# Altium PCB MP3_Player.PcbDoc (part 2 of 2)
Units mm, origin at the board's own origin, x right, y up, seen from the top; angles counter-clockwise.
Board outline 85 x 56 mm, 2 copper layers (Top Layer, Bottom Layer), stack 1.671 mm thick; 190 components, 122 nets, 601 pads, 193 vias.
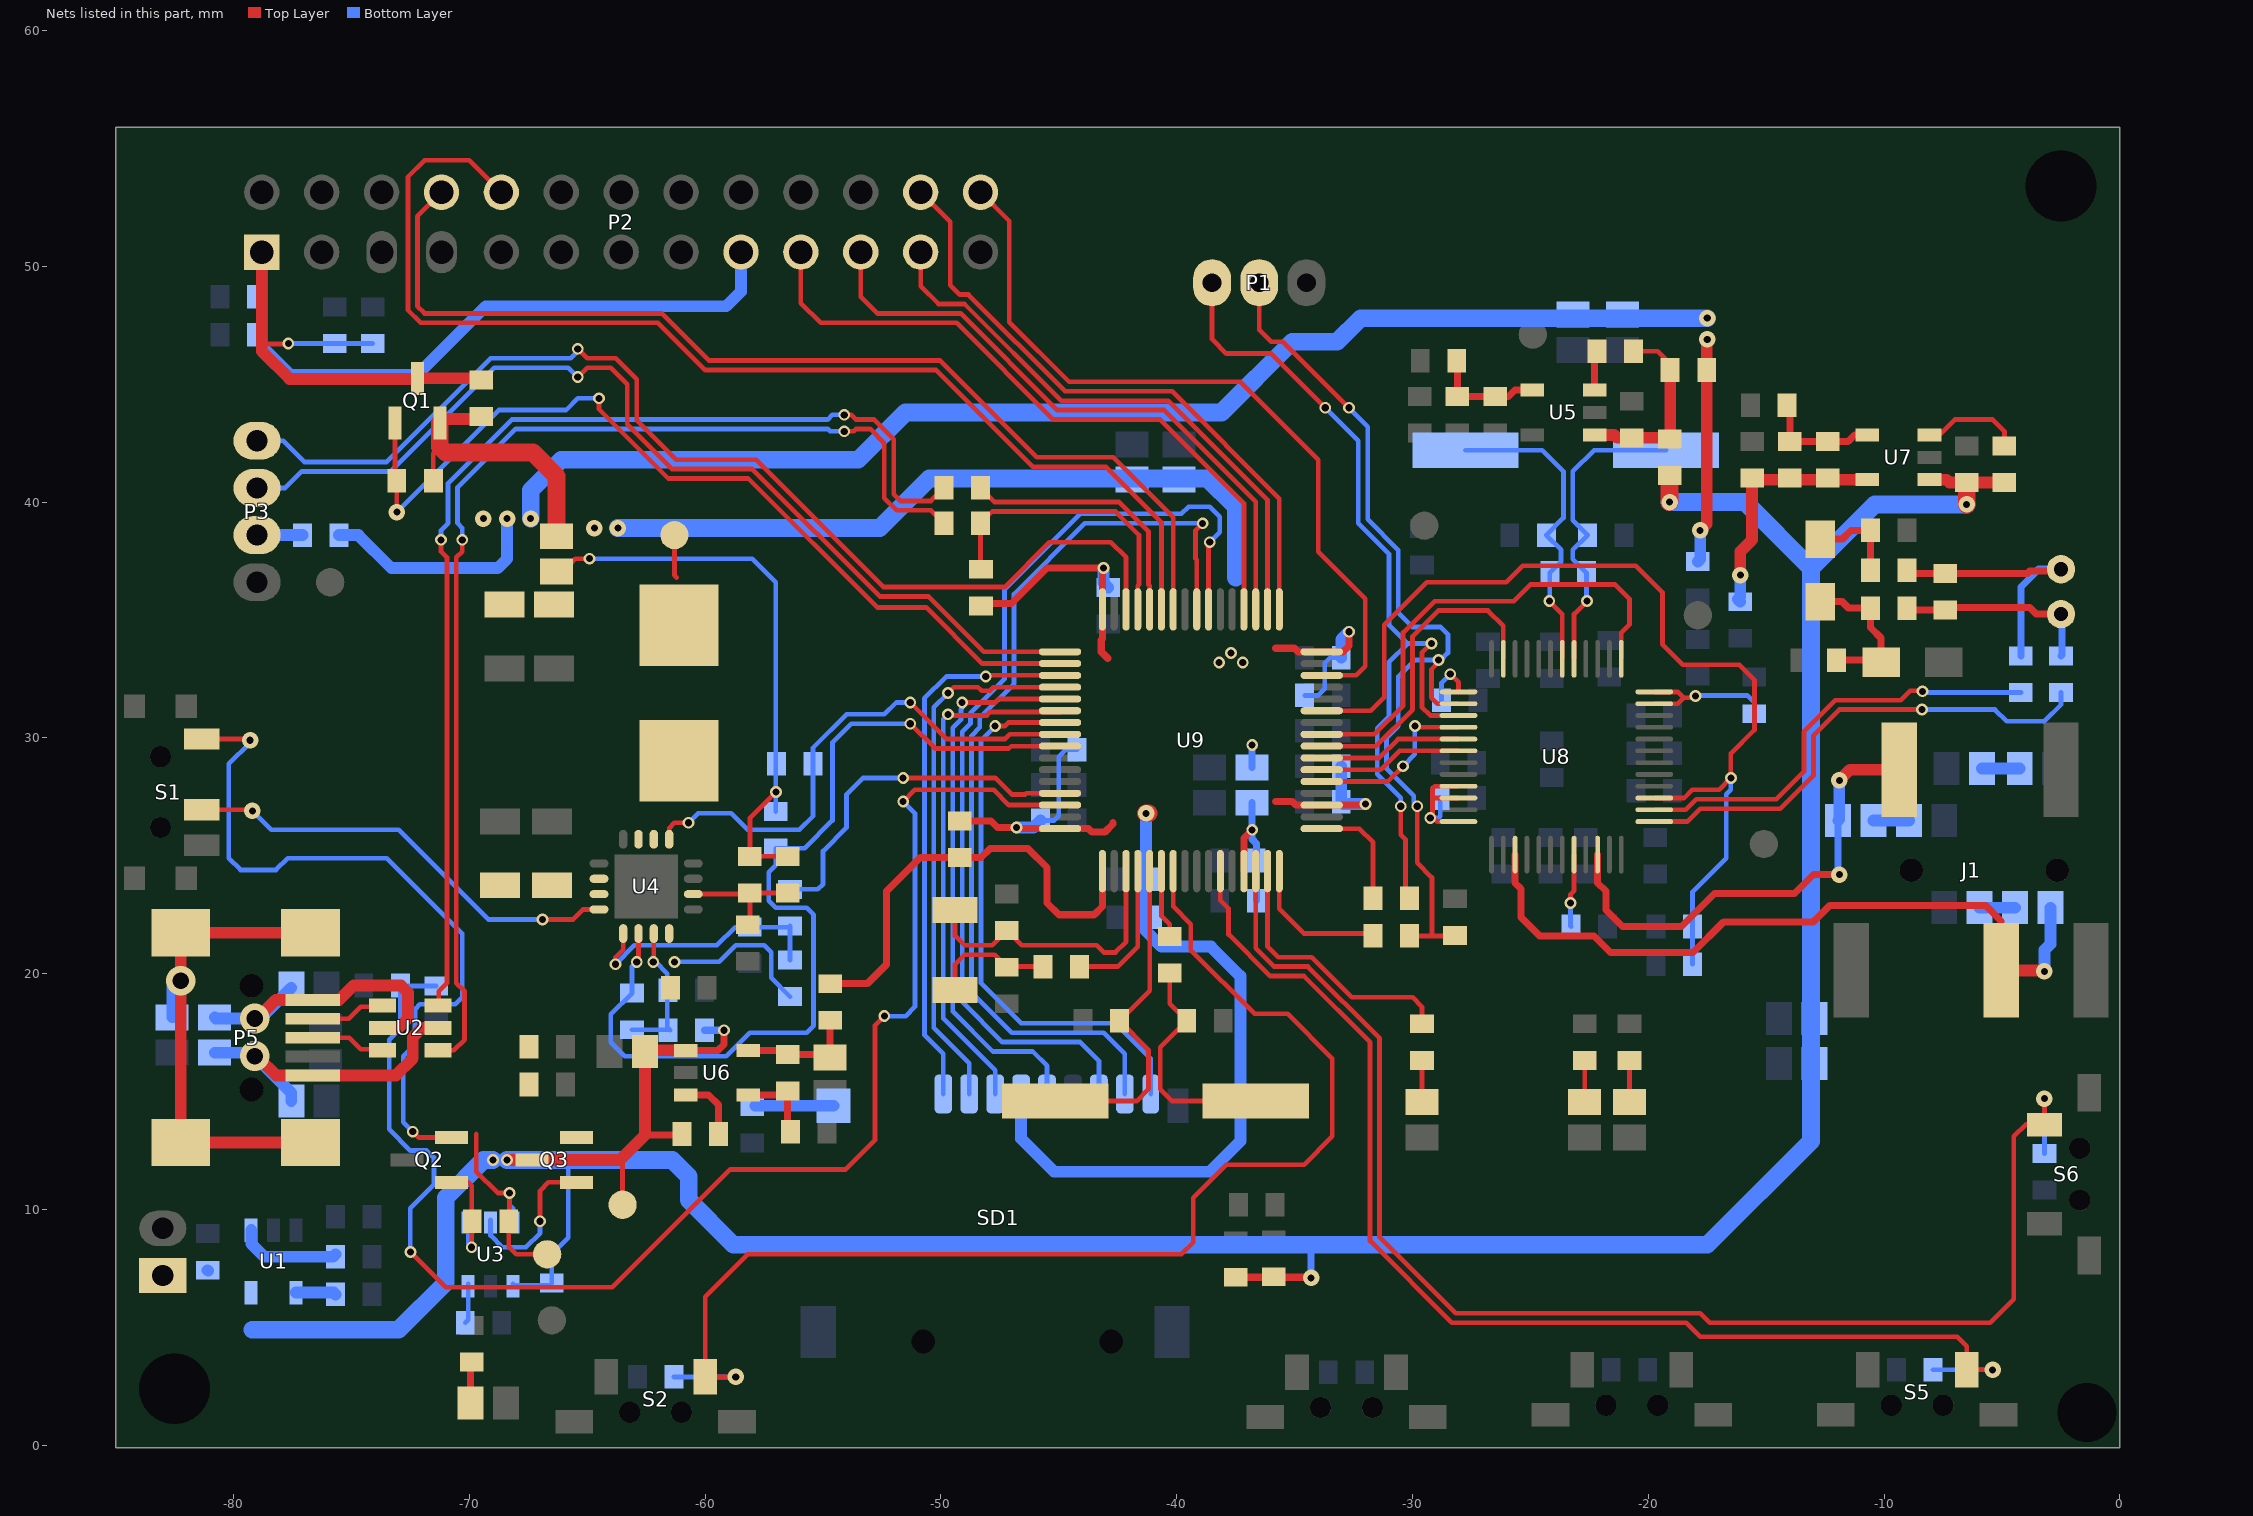
[diagram p2: the nets of this part, all layers, seen from the top]

## Via types
v1: diameter 0.5, hole 0.3, Top Layer to Bottom Layer, 136 vias
v2: diameter 0.7, hole 0.3, Top Layer to Bottom Layer, 53 vias
v3: diameter 1.27, hole 0.711, Top Layer to Bottom Layer, 4 vias

## Nets (pads, with @x,y where several pads share a name; then routed paths per layer and width w, separated by ;. In a path a pad name is that pad's centre, name@x,y a point inside that pad or via, vN(x,y) a via of type N, cw(c..) or ccw(c..) an arc to the next point about the centre after c; other vN are vias at no path point) (continued)
KEY3: C68.2 S5.2 U9.11 | length 50.9
  Top Layer w0.2: U9.11@-38.15,24.35 -38.15,23.113 -37.8,22.763 -37.8,21.663 -36.037,19.9 -34.603,19.9 -31.8,17.097 -31.8,8.666 -28.334,5.2 -18.4,5.2 -17.8,4.6 -6.9,4.6 -6.5,4.2 S5.2@-6.5,3.2 v2(-5.4,3.2)
  Bottom Layer w0.2: C68.2@-7.925,3.2 v2(-5.4,3.2)
KEY4: C66.2 S6.2 U9.14 | length 59.2
  Top Layer w0.2: U9.14@-36.65,24.35 -36.65,21.078 -35.872,20.3 -34.437,20.3 -31.4,17.263 -31.4,8.831 -28.169,5.6 -17.8,5.6 -17.4,5.2 -5.5,5.2 -4.5,6.2 -4.5,13.1 -4,13.6 S6.2@-3.2,13.6 v2(-3.2,14.7)
  Bottom Layer w0.2: C66.2@-3.2,12.375 v2(-3.2,14.7)
LBI: R19.1 R20.1 R28.2 U4.7 | length 6.1
  Top Layer w0.2: v1(-62.2,20.5) -62.175,20.525 U4.7@-62.175,21.7
  Bottom Layer w0.2: R28.2@-63.1,17.625 R19.1@-61.5,17.625 ; v1(-62.2,20.5) -62.1,20.5 -61.6,20 -61.6,17.725 R19.1@-61.5,17.625 ; R19.1@-61.475,17.6 R19.1@-61.5,17.625
LED1: R68.2 U9.15 | length 11.6
  Top Layer w0.2: U9.15@-36.15,24.35 -36.15,21.15 -35.7,20.7 -34.272,20.7 -32.572,19 -30,19 -29.6,18.6 R68.2@-29.6,17.775
LEFT: J1.2 R55.1 U8.46 | length 20.1
  Top Layer w0.3: U8.46@-22.15,25.05 -22.15,23.85 -21.8,23.5 -21.8,22.7 -21.1,22 -18.6,22 -17.2,23.4 -13.8,23.4 -13,24.2 v2(-11.9,24.2)
  Top Layer w0.5: v2(-11.9,28.2) -11.45,28.65 J1.2@-9.358,28.65
  Bottom Layer w0.3: v2@-11.95,24.45 R55.1@-11.95,26.5
  Bottom Layer w0.5: R55.1@-11.95,26.5 -11.9,26.55 v2(-11.9,28.2)
MICN: C48.1 U8.2 | length 18.7
  Top Layer w0.2: U8.2@-19.75,26.95 -18.416,26.95 -17.966,27.4 -14.566,27.4 -13.4,28.566 -13.4,30.266 -12.066,31.6 -9.3,31.6 -8.9,32 -8.4,32 v1(-8.375,31.975)
  Bottom Layer w0.2: v1(-8.375,31.975) -8.375,31.925 C48.1@-4.2,31.925
MICP: C45.1 U8.1 | length 21.2
  Top Layer w0.2: U8.1@-19.75,26.45 -18.35,26.45 -17.8,27 -14.4,27 -13,28.4 -13,30.1 -11.9,31.2 v1(-8.4,31.2)
  Bottom Layer w0.2: v1(-8.4,31.2) -5.3,31.2 -4.8,30.7 -3.2,30.7 -2.5,31.4 C45.1@-2.5,31.925
N\R\S\T\: C60.2 S2.2 U9.7 | length 52.7
  Top Layer w0.2: v2(-58.7,2.9) S2.2@-60,2.9 -60,6.3 -58.2,8.1 -39.8,8.1 -39.3,8.6 -39.3,10.5 -37.9,11.9 -34.6,11.9 -33.4,13.1 -33.4,16.4 -35.3,18.3 -36.7,18.3 -39.4,21 -39.4,22.1 -40.15,22.85 U9.7@-40.15,24.35
  Bottom Layer w0.2: C60.2@-61.325,2.898 -61.323,2.9 v2(-58.7,2.9)
NetC6_1: C6.1 L2.1 P5.5 U2.2 | length 13.8
  Top Layer w0.5: v3(-79.1,16.5) -79.1,16.4 -78.9,16.4 -78.187,15.687 P5.5@-76.638,15.687 -73.113,15.687 -72.4,16.4 -72.4,17.3 -72,17.7 U2.2@-71.325,17.7
  Bottom Layer w0.5: C6.1@-80.8,16.65 -79.25,16.65 v3(-79.1,16.5) -77.55,14.95 L2.1@-77.55,14.6
NetC6_2: C6.2 L1.1 P5.1 U2.5 | length 13.4
  Top Layer w0.5: v3(-79.1,18.1) -79,18.1 -78.213,18.887 P5.1@-76.638,18.887 -75.513,18.887 -74.9,19.5 -72.9,19.5 -72.6,19.2 -72.6,18.1 -73,17.7 U2.5@-73.675,17.7
  Bottom Layer w0.5: C6.2@-80.8,18.15 -80.75,18.1 v3(-79.1,18.1) -78.85,18.1 L1.1@-77.55,19.4
NetC9_2: C9.2 P5.6 P5.7 P5.8 P5.9 | length 21.6
  Top Layer w0.5: P5.6@-76.738,12.837 P5.7@-82.238,12.837 v3(-82.238,19.7) P5.9@-82.238,21.737 P5.8@-76.738,21.737
  Bottom Layer w0.5: C9.2@-82.6,18.15 -82.6,19.4 -82.3,19.7 v3(-82.238,19.7)
NetC16_1: C16.1 C17.1 C18.1 L3.2 R18.2 R21.2 R22.1 R23.2 TP3.1 | length 26.2
  Top Layer w0.2: R18.2@-66.3,37.35 -65.75,37.35 -65.5,37.6 v1(-64.9,37.6) ; TP3.1@-61.3,38.6 -61.3,36.9 -61.2,36.8 ; v1(-57,27.7) -58.1,26.6 C16.1@-58.1,24.975 R23.2@-56.5,24.975
  Bottom Layer w0.2: v1(-64.9,37.6) -58,37.6 -57,36.6 v1(-57,27.7) R21.2@-57,26.875
NetC16_2: C16.2 R23.1 R26.2 U4.10 | length 5.5
  Top Layer w0.2: U4.10@-60.5,23.375 -58.15,23.375 C16.2@-58.1,23.425 ; R26.2@-58.1,21.925 C16.2@-58.1,23.425 ; R23.1@-56.5,23.425 C16.2@-58.1,23.425
NetC21_1: C21.1 R29.1 R30.1 R31.2 U5.1 | length 7.9
  Top Layer w0.2: R31.2@-20.625,46.4 -19.6,46.4 R30.1@-19.075,45.875
  Top Layer w0.5: U5.1@-22.275,42.85 -21.45,42.85 -21.325,42.725 C21.1@-20.7,42.725 -19.075,42.725 R30.1@-19.075,45.6
NetC22_2: C22.2 R32.1 R34.2 U5.4 | length 4.9
  Top Layer w0.3: R34.2@-28.225,46 -28.1,45.875 C22.2@-28.1,44.475 R32.1@-26.5,44.475 -25.925,44.475 -25.65,44.75 U5.4@-24.925,44.75
NetC27_2: C27.2 R38.1 R39.2 U7.4 | length 5
  Top Layer w0.3: R39.2@-14.125,44.1 -14,43.975 C27.2@-14,42.575 R38.1@-12.4,42.575 -11.525,42.575 -11.25,42.85 U7.4@-10.725,42.85
NetC33_2: C33.2 R42.2 U8.18 Y1.2 | length 13.5
  Top Layer w0.2: v1(-24.2,35.8) -23.65,35.25 U8.18@-23.65,33.35
  Bottom Layer w0.2: Y1.2@-27.75,42.2 -24.5,42.2 -23.6,41.3 -23.6,39.325 C33.2@-24.325,38.6 -23.7,37.975 -23.7,37.475 R42.2@-24.175,37 -24.175,35.825 v1(-24.2,35.8)
NetC34_2: C34.2 R42.1 U8.17 Y1.1 | length 13.3
  Top Layer w0.2: U8.17@-23.15,33.35 -23.15,35.25 v1(-22.6,35.8)
  Bottom Layer w0.2: v1(-22.6,35.8) -22.625,35.825 R42.1@-22.625,37 -23.2,37.575 -23.2,37.975 C34.2@-22.575,38.6 -23.2,39.225 -23.2,41.3 -22.3,42.2 Y1.1@-19.25,42.2
NetC35_2: C35.2 U8.44 | length 3.1
  Top Layer w0.2: v1(-23.3,23) -23.3,23.364 -23.15,23.514 U8.44@-23.15,25.05
  Bottom Layer w0.2: v1(-23.3,23) -23.3,22.025 C35.2@-23.275,22
NetC44_1: C44.1 C47.1 R43.2 R45.1 | length 6.7
  Top Layer w0.3: C47.1@-12.7,35.775 -11.775,35.775 -11.5,35.5 R45.1@-10.575,35.5 -10.575,34.675 -10.125,34.225 C44.1@-10.125,33.2 -10.225,33.3 R43.2@-12.025,33.3
NetC45_2: C45.2 C46.2 MK1.1 R45.2 | length 8.5
  Top Layer w0.3: R45.2@-9.025,35.5 -8.95,35.425 C46.2@-7.4,35.425 ; C46.2@-7.4,35.525 -3.825,35.525 -3.55,35.25 MK1.1@-2.5,35.25
  Bottom Layer w0.3: C45.2@-2.5,33.475 -2.45,33.525 MK1.1@-2.45,35.3
NetC46_1: C46.1 C48.2 MK1.2 R52.1 | length 11.6
  Top Layer w0.3: R52.1@-9.025,37.1 -8.9,36.975 C46.1@-7.4,36.975 -3.925,36.975 -3.825,37.075 -2.575,37.075 MK1.2@-2.5,37.15
  Bottom Layer w0.3: C48.2@-4.2,33.475 -4.2,36.4 -3.45,37.15 MK1.2@-2.5,37.15
NetC47_2: C47.2 R52.2 R53.1 | length 4
  Top Layer w0.3: C47.2@-12.7,38.425 -11.775,38.425 -11.4,38.8 R53.1@-10.575,38.8 R52.2@-10.575,37.1
NetC49_1: C49.1 R54.2 | length 1.6
  Bottom Layer w0.5: C49.1@-5.85,28.7 R54.2@-4.25,28.7
NetC50_1: C50.1 R55.2 | length 1.5
  Bottom Layer w0.5: R55.2@-10.45,26.5 C50.1@-8.95,26.5
NetC51_1: C51.1 R56.2 | length 1.5
  Bottom Layer w0.5: C51.1@-5.95,22.8 R56.2@-4.45,22.8
NetC69_2: C69.2 SD1.13 | length 3.3
  Bottom Layer w0.5: C69.2@-57.875,14.4 SD1.13@-54.55,14.4
NetD1_1: D1.1 R11.1 | length 1.7
  Top Layer w0.3: D1.1@-69.95,1.8 -69.95,3.475 R11.1@-69.9,3.525
NetD4_1: D4.1 R50.1 | length 1.8
  Top Layer w0.2: D4.1@-20.8,14.55 R50.1@-20.8,16.325
NetD5_1: D5.1 R51.1 | length 1.8
  Top Layer w0.2: D5.1@-22.7,14.55 R51.1@-22.7,16.325
NetD6_1: D6.1 R68.1 | length 1.8
  Top Layer w0.2: D6.1@-29.6,14.55 R68.1@-29.6,16.325
NetL3_1: L3.1 U4.14 U4.15
NetP3_3: P3.3 R8.2 | length 1.9
  Bottom Layer w0.5: P3.3@-79,38.6 R8.2@-77.075,38.6
NetP5_2: P5.2 U2.4 | length 3.2
  Top Layer w0.2: P5.2@-76.638,18.087 -75.113,18.087 -74.6,18.6 -73.725,18.6 U2.4@-73.675,18.55
NetP5_3: P5.3 U2.6 | length 3.2
  Top Layer w0.2: P5.3@-76.638,17.287 -75.087,17.287 -74.6,16.8 -73.825,16.8 U2.6@-73.675,16.65
NetQ3_1: Q3.1 U3.5 | length 6.7
  Top Layer w0.2: v1(-67,9.5) -67,10.8 -66.65,11.15 Q3.1@-65.45,11.15
  Bottom Layer w0.2: U3.5@-69.1,9.55 -69.1,8.9 -68.6,8.4 -67.6,8.4 -67,9 v1(-67,9.5)
NetR9_2: R9.2 U1.1 | length 4.4
  Bottom Layer w0.5: U1.1@-79.25,9.125 -79.25,8.55 -78.7,8 -75.775,8 R9.2@-75.675,8.1
NetR10_2: R10.2 U1.4 | length 1.7
  Bottom Layer w0.5: U1.4@-77.35,6.475 -75.75,6.475 R10.2@-75.675,6.4
NetR17_2: R17.2 U3.3 | length 1.7
  Bottom Layer w0.2: R17.2@-70.175,5.2 -70.05,5.325 U3.3@-70.05,6.85
NetR31_1: R31.1 U5.3 | length 1.7
  Top Layer w0.3: R31.1@-22.325,46.4 -22.275,46.35 U5.3@-22.275,44.75
NetR33_1: R33.1 U6.3 | length 2.9
  Top Layer w0.3: U6.3@-60.825,14.85 -59.85,14.85 -59.425,14.425 R33.1@-59.425,13.1
NetR35_1: R35.1 R36.2 U6.4 | length 3.5
  Top Layer w0.3: U6.4@-58.175,14.85 -56.675,14.85 R35.1@-56.5,15.025 -56.5,13.425 R36.2@-56.375,13.3
NetR37_1: R37.1 U7.3 | length 4.3
  Top Layer w0.2: U7.3@-8.075,42.85 -7.65,42.85 -7,43.5 -5.4,43.5 -4.9,43 R37.1@-4.9,42.375
NetR40_2: R40.2 U8.33 U8.34 U8.36 | length 6
  Top Layer w0.2: v1(-29.25,26.6) -29.2,26.6 v1@-29.15,26.65 ; U8.36@-28.05,26.45 -28.95,26.45 v1@-29.15,26.65 ; U8.34@-28.05,27.45 -29.1,27.45 -29.15,27.5 ; U8.33@-28.05,27.95 -29.05,27.95 -29.15,27.85 -29.15,27.5 ; v1@-29.15,26.65 -29.15,27.5
  Bottom Layer w0.2: v1(-29.25,26.6) -28.9,26.6 -28.825,26.675 R40.2@-28.825,27.45
NetR48_2: R48.2 U8.25 | length 2.2
  Top Layer w0.2: v1(-28.4,32.7) -28.05,32.35 U8.25@-28.05,31.95
  Bottom Layer w0.2: R48.2@-28.775,31.6 -28.775,32.325 v1(-28.4,32.7)
NetR49_2: R49.2 U8.11 U8.12 | length 6.4
  Top Layer w0.2: U8.11@-19.75,31.45 -18.75,31.45 -18.5,31.7 ; U8.12@-19.75,31.95 -18.75,31.95 -18.5,31.7 ; v1(-18,31.775) -18.075,31.7 -18.5,31.7
  Bottom Layer w0.2: v1(-18,31.775) -18,31.8 -15.8,31.8 -15.5,31.5 R49.2@-15.5,31.025
NetR58_1: R58.1 R62.1 U9.1 | length 19.4
  Top Layer w0.3: R62.1@-54.7,19.575 -53.125,19.575 -52.3,20.4 -52.3,23.5 -50.875,24.925 R58.1@-49.2,24.925 -48.3,24.925 -47.925,25.3 -46.3,25.3 -45.5,24.5 -45.5,23 -45,22.5 -43.5,22.5 -43.15,22.85 U9.1@-43.15,24.35
NetR63_2: R63.2 U9.6 | length 2.7
  Top Layer w0.2: U9.6@-40.65,24.35 -40.65,22.45 -40.3,22.1 R63.2@-40.3,21.775
NetR64_1: R64.1 U9.4 | length 6
  Top Layer w0.2: R64.1@-44.125,20.3 -42.5,20.3 -41.65,21.15 U9.4@-41.65,24.35
PWE_EN: S1.2 U4.4 | length 19
  Top Layer w0.2: S1.2@-81.35,26.95 -79.25,26.95 v2(-79.2,26.9) ; v1(-66.9,22.3) -65.6,22.3 -65.175,22.725 U4.4@-64.5,22.725
  Bottom Layer w0.2: v2(-79.2,26.9) -78.4,26.1 -73,26.1 -69.2,22.3 v1(-66.9,22.3)
PWR_EXT: Q1.1 R5.2 U9.50 | length 39
  Top Layer w0.2: Q1.1@-73.15,43.35 -73.15,40.975 R5.2@-73.075,40.9 v2(-73.075,39.575) ; v1@-64.6,44.4 v1(-64.5,44.4) -64.5,43.932 -61.569,41 -58.169,41 -52.7,35.531 -50.631,35.531 -48.25,33.15 U9.50@-44.95,33.15
  Bottom Layer w0.2: v2(-73.075,39.575) -68.75,43.9 -65.9,43.9 -65.4,44.4 v1(-64.5,44.4)
PWRSTAT: Q2.1 R16.1 U3.4 | length 4.7
  Top Layer w0.2: Q2.1@-70.75,11.15 -70.05,11.15 -69.9,11 v1(-69.9,8.4)
  Bottom Layer w0.2: U3.4@-70.1,9.6 U3.4@-70.05,9.55 ; U3.4@-70.05,9.45 -70.05,8.55 v1(-69.9,8.4)
REG_LBO: R21.1 R28.1 U4.6 U9.57 | length 40.3
  Top Layer w0.2: v1(-62.9,20.5) -62.85,20.5 -62.825,20.525 U4.6@-62.825,21.7 ; v1(-51.3,30.6) -50.25,29.55 -47.119,29.55 -47.019,29.65 U9.57@-44.95,29.65
  Bottom Layer w0.2: v1(-62.9,20.5) -63.1,20.3 R28.1@-63.1,19.175 -64,18.275 -64,17.1 -63.4,16.5 -59.1,16.5 -58.1,17.5 -55.7,17.5 -55.4,17.8 -55.4,22.5 -55.7,22.8 -57,22.8 -57.3,23.1 -57.3,24.3 -57,24.6 R21.1@-57,25.325 -55.775,25.325 -54.6,26.5 -54.6,29.8 -53.8,30.6 v1(-51.3,30.6)
REG_PG: R22.2 U4.13 U9.56 | length 22.3
  Top Layer w0.2: U4.13@-61.525,25.7 -61.525,26.175 -61.3,26.4 v1(-60.7,26.4) ; v1(-51.3,31.5) -49.75,29.95 -47.284,29.95 -47.084,30.15 U9.56@-44.95,30.15
  Bottom Layer w0.2: v1(-60.7,26.4) -60.3,26.8 -58.9,26.8 -58.2,26.1 -56,26.1 -55.425,26.675 R22.2@-55.425,28.9 -55.425,29.575 -54,31 -52.4,31 -51.9,31.5 v1(-51.3,31.5)
REG_SYNC: R27.2 U9.61 | length 15.4
  Top Layer w0.2: v1(-51.6,28.3) -47.7,28.3 -47,27.6 -46.422,27.6 -46.372,27.65 U9.61@-44.95,27.65
  Bottom Layer w0.2: R27.2@-56.4,23.575 -55.225,23.575 -55,23.8 -55,25.2 -54,26.2 -54,27.6 -53.3,28.3 v1(-51.6,28.3)
RIGHT: J1.4 R56.1 U8.39 | length 31.6
  Top Layer w0.3: U8.39@-25.65,25.05 -25.65,23.85 -25.4,23.6 -25.4,22.7 -25.4,22.393 -24.607,21.6 -22.307,21.6 -21.607,20.9 -18.1,20.9 -16.8,22.2 -13,22.2 -12.3,22.9 -5.7,22.9 -5.04,22.24 J1.4@-5.04,20.141
  Top Layer w0.5: J1.4@-5.04,20.141 -3.241,20.141 v2(-3.2,20.1)
  Bottom Layer w0.5: v2(-3.2,20.1) -3.2,21 -2.95,21.25 R56.1@-2.95,22.8
SD_CD: SD1.9 U9.55 | length 24.1
  Top Layer w0.2: v1@-47.7,30.4 v1(-47.7,30.5) -47.3,30.5 -47.15,30.65 U9.55@-44.95,30.65
  Bottom Layer w0.2: v1(-47.7,30.5) -48.3,29.9 -48.3,19.6 -46.6,17.9 -42.6,17.9 -41.1,16.4 SD1.9@-41.1,14.9
SDIO_CK: SD1.5 U9.53 | length 23.6
  Top Layer w0.2: v1(-49.1,31.5) -47.7,31.5 -47.55,31.65 U9.53@-44.95,31.65
  Bottom Layer w0.2: v1(-49.1,31.5) -49.1,31.266 -49.15,31.216 -49.15,30.772 -49.5,30.422 -49.5,18.4 -47.8,16.7 -46.1,16.7 -45.5,16.1 SD1.5@-45.5,14.9
SDIO_CMD: SD1.3 U9.54 | length 22
  Top Layer w0.2: v1(-49.7,31) -49.65,30.95 -48.05,30.95 -47.9,31.1 -44.95,31.1 U9.54@-44.95,31.15
  Bottom Layer w0.2: v1(-49.7,31) -49.9,30.8 -49.9,18.1 -47.7,15.9 SD1.3@-47.7,14.9
SDIO_D0: SD1.7 U9.39 | length 41.4
  Top Layer w0.2: U9.39@-38.65,35.45 -38.65,38.25 v1(-38.6,38.3)
  Bottom Layer w0.2: SD1.7@-43.3,14.9 -43.3,16.3 -44.1,17.1 -47.4,17.1 -49.1,18.8 -49.1,30.257 -48.75,30.606 -48.75,31.05 -47.3,32.5 -47.3,36.3 -44.1,39.5 -39.8,39.5 -39.5,39.8 -38.6,39.8 -38.175,39.375 -38.175,38.725 v1(-38.6,38.3)
SDIO_D1: SD1.8 U9.40 | length 40
  Top Layer w0.2: U9.40@-39.15,35.45 -39.15,37.55 -39.2,37.6 -39.2,38.8 v1(-38.9,39.1)
  Bottom Layer w0.2: SD1.8@-42.2,14.9 -42.2,16.6 -43.1,17.5 -47,17.5 -48.7,19.2 -48.7,30.091 -48.35,30.441 -48.35,30.85 -46.9,32.3 -46.9,36.1 -43.9,39.1 v1(-38.9,39.1)
SDIO_D2: SD1.1 U9.51 | length 23.3
  Top Layer w0.2: v1(-48.1,32.6) -48.05,32.65 U9.51@-44.95,32.65
  Bottom Layer w0.2: SD1.1@-49.9,14.9 -49.9,16.6 -50.7,17.4 -50.7,31.678 -49.778,32.6 v1(-48.1,32.6)
SDIO_D3: SD1.2 U9.52 | length 22.8
  Top Layer w0.2: v1(-49.7,31.9) -49.45,32.15 -48.428,32.15 -48.278,32 -47.922,32 -47.772,32.15 U9.52@-44.95,32.15
  Bottom Layer w0.2: v1(-49.7,31.9) -50.3,31.3 -50.3,17.7 -48.8,16.2 SD1.2@-48.8,14.9
SPI1_MISO: U8.30 U9.22 | length 6.1
  Top Layer w0.2: U9.22@-33.85,28.65 -31.35,28.65 -30.55,29.45 U8.30@-28.05,29.45
SPI1_MOSI: U8.29 U9.23 | length 6.1
  Top Layer w0.2: U9.23@-33.85,29.15 -31.416,29.15 -30.616,29.95 -30.128,29.95 U8.29@-28.05,29.95
SPI1_SCK: U8.28 U9.21 | length 7.3
  Top Layer w0.2: U9.21@-33.85,28.15 -31.05,28.15 v1(-30.4,28.8) ; v1@-29.7,30.45 U8.28@-28.05,30.45
  Bottom Layer w0.2: v1(-30.4,28.8) -29.9,29.3 v1(-29.9,30.5)
SPI2_MISO: P2.21 U9.35 | length 26.8
  Top Layer w0.2: P2.21@-53.4,50.6 -53.4,48.7 -52.7,48 -49.166,48 -45.066,43.9 -40.531,43.9 -36.65,40.019 U9.35@-36.65,35.45
SPI2_MOSI: P2.19 U9.36 | length 29
  Top Layer w0.2: P2.19@-55.94,50.6 -55.94,48.44 -55.1,47.6 -49.331,47.6 -45.231,43.5 -40.697,43.5 -37.15,39.953 U9.36@-37.15,35.45
SPI2_NCS0: P2.24 U9.33 | length 26.9
  Top Layer w0.2: P2.24@-50.86,53.14 -49.6,51.88 -49.6,49.2 -49.2,48.8 -48.834,48.8 -44.734,44.7 -40.2,44.7 -35.65,40.15 U9.33@-35.65,35.45
SPI2_NCS1: P2.26 U9.30 | length 33.1
  Top Layer w0.2: P2.26@-48.32,53.14 -47.1,51.92 -47.1,47.631 -44.569,45.1 -37.3,45.1 -34,41.8 -34,37.9 -32,35.9 -32,33.044 -32.393,32.65 U9.30@-33.85,32.65
SPI2_SCK: P2.23 U9.34 | length 24.5
  Top Layer w0.2: P2.23@-50.86,50.6 -50.86,49.16 -50.1,48.4 -49,48.4 -44.9,44.3 -40.366,44.3 -36.15,40.084 U9.34@-36.15,35.45
SWCLK: P3.2 U9.49 | length 42.5
  Top Layer w0.2: v1(-65.4,45.3) -65,45.7 -64,45.7 -63.3,45 -63.3,43.3 -61.4,41.4 -58.003,41.4 -52.6,35.997 -50.531,35.997 -48.184,33.65 U9.49@-44.95,33.65
  Bottom Layer w0.2: P3.2@-79,40.6 -77.8,40.6 -77.1,41.3 -73.334,41.3 -68.934,45.7 -65.8,45.7 v1(-65.4,45.3)
SWDIO: P3.1 U9.46 | length 47.9
  Top Layer w0.2: v1(-65.4,46.5) -65,46.1 -63.8,46.1 -62.9,45.2 -62.9,43.466 -61.234,41.8 -57.837,41.8 -52.434,36.397 -47.303,36.397 -45.4,38.3 -42.8,38.3 -42.15,37.65 U9.46@-42.15,35.45
  Bottom Layer w0.2: P3.1@-79,42.6 -77.9,42.6 -77,41.7 -73.5,41.7 -69.1,46.1 -65.7,46.1 v1@-65.4,46.4 ; v1@-65.5,46.3 v1@-65.4,46.4 ; v1(-65.4,46.5) v1@-65.4,46.4
SYNC: R24.1 R25.1 R27.1 U4.5 | length 11
  Top Layer w0.2: v1(-63.8,20.4) -63.8,20.7 -63.475,21.025 U4.5@-63.475,21.7
  Bottom Layer w0.2: v1(-63.8,20.4) -63,21.2 -59.5,21.2 -58.725,21.975 R25.1@-58.1,21.975 R27.1@-56.4,21.975 ; R27.1@-56.45,21.975 R27.1@-56.4,22.025 R24.1@-56.4,20.575
USART1_RX: P2.10 U9.43 | length 49.9
  Top Layer w0.2: P2.10@-68.64,53.14 -70,54.5 -71.9,54.5 -72.6,53.8 -72.6,48.134 -72.066,47.6 -62,47.6 -60,45.6 -50.2,45.6 -46.1,41.5 -43,41.5 -40.65,39.15 U9.43@-40.65,35.45
USART1_TX: P2.8 U9.42 | length 44.9
  Top Layer w0.2: P2.8@-71.18,53.14 -72.2,52.12 -72.2,48.3 -71.9,48 -61.834,48 -59.834,46 -50.034,46 -45.934,41.9 -42.693,41.9 -40.15,39.357 U9.42@-40.15,35.45
USART2_RX: R2.1 U9.17 | length 4.7
  Top Layer w0.2: U9.17@-33.85,26.15 -32.25,26.15 -31.675,25.575 R2.1@-31.675,23.3
USART2_TX: R3.2 U9.16 | length 6
  Top Layer w0.2: U9.16@-35.65,24.35 -35.65,22.75 -34.6,21.7 R3.2@-31.675,21.7
USB_N: R59.2 U2.3 | length 47.9
  Top Layer w0.2: U2.3@-71.325,18.65 -71.3,18.675 -71.3,19.25 -70.95,19.6 -70.95,37.65 -71.2,37.9 v1(-71.2,38.4) ; v1(-54.1,43.7) -53.8,43.7 -53.6,43.5 -52.834,43.5 -52,42.666 -52,40.334 -51.716,40.05 -50.425,40.05 R59.2@-49.875,40.6
  Bottom Layer w0.2: v1(-71.2,38.4) -71.2,38.8 -70.9,39.1 -70.9,40.8 -68.2,43.5 -54.8,43.5 -54.6,43.7 v1(-54.1,43.7)
USB_P: R60.2 U2.1 | length 49.8
  Top Layer w0.2: U2.1@-71.325,16.75 -70.65,16.75 -70.2,17.2 -70.2,19.25 -70.55,19.6 -70.55,37.65 -70.3,37.9 v1(-70.3,38.4) ; v1(-54.1,43) -53.7,43 -53.6,43.1 -53,43.1 -52.4,42.5 -52.4,40.169 -51.881,39.65 -50.425,39.65 R60.2@-49.875,39.1
  Bottom Layer w0.2: v1(-70.3,38.4) -70.3,38.9 -70.5,39.1 -70.5,40.634 -68.034,43.1 -54.8,43.1 -54.7,43 v1(-54.1,43)
VBUS: R12.1 R14.2 U9.62 | length 60.5
  Top Layer w0.2: v1(-72.5,8.2) -71,6.7 -63.934,6.7 -58.934,11.7 -54.034,11.7 -52.8,12.934 -52.8,17.8 v1(-52.4,18.2) ; v1(-51.6,27.3) -51.1,27.8 -47.766,27.8 -47.116,27.15 U9.62@-44.95,27.15
  Bottom Layer w0.2: v1(-72.5,8.2) -72.5,10.055 -71.5,11.055 -71.5,12.2 -71.8,12.5 -72.5,12.5 -73.4,13.4 -73.4,17.2 -72.925,17.675 R12.1@-72.925,19.5 -72.9,19.475 R14.2@-71.4,19.475 ; v1(-52.4,18.2) -51.5,18.2 -51.1,18.6 -51.1,26.8 v1(-51.6,27.3)
VCC_3V3: C1.2 C2.2 C55.2 C56.2 C57.2 C58.2 C59.2 C70.2 C71.2 C74.2 C75.2 L4.2 Q1.2 R4.1 R5.1 R8.1 R18.1 R30.2 R47.1 R58.2 R61.2 R65.2 R67.2 SD1.4 U9.19 U9.32 U9.48 U9.64 | length 183.6
  Top Layer w0.2: R5.1@-71.525,40.9 -71.525,42.075 -71.25,42.35 ; Q1.2@-71.25,43.35 Q1.2@-71.075,43.525
  Top Layer w0.3: R58.2@-49.2,26.475 -47.875,26.475 -47.6,26.2 v1(-46.8,26.2) -46.75,26.15 U9.64@-44.95,26.15 -43.75,26.15 -43.6,26 -43.051,26 -42.7,26.351 -42.7,26.4 ; R61.2@-48.3,35.425 -48.025,35.7 -47,35.7 -45.5,37.2 v1(-43.1,37.2) -43.15,37.15 U9.48@-43.15,35.45 -43.15,34.199 -43.2,34.149 -43.2,33.651 -42.924,33.376 ; -35.8,27.3 -35.1,27.3 -34.95,27.15 U9.19@-33.85,27.15 -32.05,27.15 v1(-32,27.2) ; -35.8,33.8 -35,33.8 -34.85,33.65 U9.32@-33.85,33.65 -32.95,33.65 -32.7,33.9 v1(-32.7,34.5)
  Top Layer w0.5: Q1.2@-71.075,43.525 R4.1@-69.5,43.525 ; v2(-17.8,38.8) -17.525,39.075 R30.2@-17.525,45.6 -17.525,46.875 v2(-17.5,46.9)
  Top Layer w0.75: Q1.2@-71.25,43.35 -71.25,42.35 -71,42.1 -67.3,42.1 -66.3,41.1 R18.1@-66.3,38.85 ; v2(-41.3,26.8) v2@-41.2,26.8
  Bottom Layer w0.2: C59.2@-45.775,26.5 -45.2,26.5 -45,26.7 -45,29.2 -44.7,29.5 R65.2@-44.225,29.5 ; R67.2@-34.575,31.8 -34,31.8 -33.725,32.075 -33.725,33.175 -33.5,33.4 C57.2@-33.025,33.4
  Bottom Layer w0.3: L4.2@-36.8,28.75 v1(-36.8,29.7)
  Bottom Layer w0.5: R8.1@-75.525,38.6 -74.7,38.6 -73.3,37.2 -68.8,37.2 -68.4,37.6 v2(-68.4,39.3) ; v1(-46.8,26.2) -46.075,26.2 C59.2@-45.775,26.5 ; SD1.4@-46.6,14.9 -46.6,13 -45.2,11.6 -38.6,11.6 -37.3,12.9 -37.3,19.9 -38.55,21.15 -40.65,21.15 -41.3,21.8 v2(-41.3,26.8) ; v1(-43.1,37.2) -43.1,36.575 C58.2@-42.9,36.375 ; C55.2@-33.025,28.8 C56.2@-33.025,27.3 -32.925,27.2 v1(-32,27.2) ; C57.2@-33.025,33.4 -33.025,34.175 v1(-32.7,34.5) ; R47.1@-17.9,37.475 -17.8,37.575 v2(-17.8,38.8)
  Bottom Layer w0.75: v2(-67.4,39.3) -67.4,40.5 -66.1,41.8 -53.5,41.8 -51.5,43.8 -38.1,43.8 -35.1,46.8 -33.2,46.8 -32.2,47.8 v2(-17.5,47.8) ; v2(-63.7,38.9) -52.6,38.9 -50.5,41 -38.7,41 -37.5,39.8 -37.5,36.8
  other v1: -38.2,33.2 -37.2,33.2 -37.7,33.6
  other v2: -64.7,38.9 -69.4,39.3
VCC_3V3_BAT: C25.1 C27.1 R38.2 R44.1 U7.5 | length 10.4
  Top Layer w0.5: v2(-16.1,36.9) -16.1,37.9 -15.6,38.4 C25.1@-15.6,41.025 -15.525,40.95 U7.5@-10.725,40.95
  Bottom Layer w0.5: R44.1@-16.1,35.775 -16.2,35.875 -16.1,35.975 v2(-16.1,36.9)
VCC_3V3_EXT: C3.2 C4.2 P2.1 P2.17 Q1.3 R4.2 R6.1 R7.1 | length 46.7
  Top Layer w0.2: -78.8,46.7 -77.7,46.7 v1(-77.675,46.725) ; R4.2@-69.675,45.25 R4.2@-69.5,45.075
  Top Layer w0.5: P2.1@-78.8,50.6 -78.8,46.7 -78.8,46.4 -77.625,45.225 -76.4,45.225 -74.8,45.225 -72.225,45.225 Q1.3@-72.2,45.25 R4.2@-69.675,45.25
  Bottom Layer w0.2: v1(-77.675,46.725) R6.1@-75.7,46.725 R7.1@-74.1,46.725
  Bottom Layer w0.5: P2.1@-78.8,50.6 -78.8,46.6 -77.6,45.4 -72.2,45.4 -69.3,48.3 -59.1,48.3 -58.48,48.92 P2.17@-58.48,50.6
VCC_3V3A: C53.2 C54.2 L4.1 U9.13 | length 6.1
  Top Layer w0.3: U9.13@-37.15,24.35 -37.15,25.75 v1(-36.8,26.1)
  Bottom Layer w0.3: L4.1@-36.8,27.25 v1(-36.8,26.1) -36.8,25.7 -36.625,25.525 C54.2@-36.625,24.8 C53.2@-36.625,23.1
VCC_BACKUP: C23.1 R35.2 R62.2 U6.5 | length 5.2
  Top Layer w0.3: U6.5@-58.175,16.75 -56.675,16.75 R35.2@-56.5,16.575 -54.925,16.575 C23.1@-54.7,16.35 ; C23.1@-54.7,16.45 R62.2@-54.7,18.025
VCC_BAT: C5.2 C10.1 C13.2 C24.1 C26.1 C72.2 C73.2 P4.1 Q3.3 R13.2 R19.2 R29.2 R33.2 R37.2 TP2.1 U1.5 U3.1 U6.1 U7.1 | length 149.1
  Top Layer w0.2: -63.6,12.1 -63.5,12 TP2.1@-63.5,10.2
  Top Layer w0.3: -62.55,13.15 -61.025,13.15 R33.2@-60.975,13.1 ; U6.1@-60.825,16.75 -59.45,16.75 -59.2,17 v1(-59.2,17.6) ; C10.1@-37.5,7.125 -34.375,7.125 -34.3,7.2 v2(-34.3,7.1)
  Top Layer w0.5: v1(-68.4,12.1) Q3.3@-67.35,12.1 -63.6,12.1 -62.55,13.15 C24.1@-62.55,16.7 -62.5,16.75 U6.1@-60.825,16.75 ; U7.1@-8.075,40.95 -7.35,40.95 -7.225,40.825 C26.1@-6.5,40.825 R37.2@-4.9,40.825
  Top Layer w0.75: v2(-19.1,40) R29.2@-19.1,41.125 ; v2(-6.5,39.9) C26.1@-6.5,40.825
  Bottom Layer w0.2: U3.1@-68.15,6.85 -68.075,6.775 C13.2@-66.5,6.775 ; C13.2@-66.5,6.875 -66.5,8.1 -65.8,8.8 -65.8,12
  Bottom Layer w0.3: R19.2@-60.025,17.6 v1(-59.2,17.6) ; v2(-34.3,7.1) -34.3,8.5
  Bottom Layer w0.5: C5.2@-81.1,7.425 C5.2@-81.075,7.4
  Bottom Layer w0.75: -79.2,4.9 -73,4.9 -71,6.9 -71,10.5 -69.4,12.1 v1(-69,12.1) ; v1(-68.4,12.1) -61.4,12.1 -60.7,11.4 -60.7,10.4 -58.8,8.5 -34.3,8.5 -17.5,8.5 -13.1,12.9 -13.1,37.2 ; v2(-19.1,40) -15.9,40 -13.1,37.2 ; v2(-6.5,39.9) -10.4,39.9 -13.1,37.2
VDD: C11.2 C12.2 C14.1 C15.1 C19.1 Q2.2 Q3.2 R16.2 R24.2 S1.1 TP1.1 U3.6 U4.2 U4.3 U4.8 | length 46.8
  Top Layer w0.2: S1.1@-81.35,29.95 -79.35,29.95 v2(-79.3,29.9) ; v1(-72.4,13.3) -72.15,13.05 Q2.2@-70.75,13.05 ; -69.7,13.2 -69.7,11.6 -68.8,10.7 v1(-68.3,10.7) -68.3,9.525 R16.2@-68.325,9.5 -68.325,8.425 -68,8.1 TP1.1@-66.7,8.1
  Bottom Layer w0.2: v2(-79.3,29.9) -79.3,29.8 -80.2,28.9 -80.2,24.9 -79.7,24.4 -78.2,24.4 -77.7,24.9 -73.5,24.9 -70.3,21.7 -70.3,19 -70.6,18.7 -72.1,18.7 -72.3,18.5 -72.3,17 -72.8,16.5 -72.8,13.7 v1(-72.4,13.3) ; v1(-68.3,10.7) -68.3,10.2 -68.15,10.05 U3.6@-68.15,9.45 ; v1(-61.3,20.5) -59.4,20.5 -58.7,21.2 -57.5,21.2 -57.2,20.9 -57.2,19.825 R24.2@-56.4,19.025
VS_RX: P1.2 R3.1 R41.1 U8.26 | length 39.4
  Top Layer w0.2: P1.2@-36.5,49.3 -36.5,47.3 -36,46.8 -35.5,46.8 v1(-32.7,44) ; R3.1@-30.125,21.6 -29.175,21.6 ; v1(-29.8,27.1) -29.8,24.7 -29.175,24.075 -29.175,21.6 ; v1(-28.9,33.3) -28.9,33.2 -29.2,32.9 -29.2,31.7 -28.95,31.45 U8.26@-28.05,31.45 ; R41.1@-28.2,21.625 -28.225,21.6 -29.175,21.6
  Bottom Layer w0.2: v1(-32.7,44) -31.9,43.2 -31.9,39.266 -30.6,37.966 -30.6,35.3 -30,34.7 -28.8,34.7 -28.5,34.4 -28.5,33.6 -28.8,33.3 v1(-28.9,33.3) -29.9,33.3 -30.6,32.6 -30.6,30.5 -31.1,30 -31.1,28.7 -29.95,27.55 -29.95,27.25 v1(-29.8,27.1)
VS_TX: P1.3 R2.2 U8.27 | length 37.3
  Top Layer w0.2: P1.3@-38.5,49.3 -38.5,46.9 -37.9,46.3 -36,46.3 v1(-33.7,44) ; v1(-30.5,27.1) -30.5,25.9 -30.3,25.7 -30.3,23.375 R2.2@-30.125,23.2 ; v1(-29.2,34) -29.6,33.6 -29.6,31.3 -29.25,30.95 U8.27@-28.05,30.95
  Bottom Layer w0.2: v1(-33.7,44) -32.3,42.6 -32.3,39.1 -31,37.8 -31,34.8 -30.2,34 ; v1(-30.5,27.1) -30.5,27.466 -31.5,28.466 -31.5,30.4 -31,30.9 -31,33.2 -30.2,34 ; v1(-29.2,34) -30.2,34
X\C\S\: U8.23 U9.24 | length 13.6
  Top Layer w0.2: U9.24@-33.85,29.65 -31.55,29.65 -30,31.2 -30,34.3 -28.9,35.4 -26.8,35.4 -26.15,34.75 U8.23@-26.15,33.35
X\D\C\S\: U8.13 U9.25 | length 20.4
  Top Layer w0.2: U9.25@-33.85,30.15 -31.616,30.15 -30.4,31.366 -30.4,34.466 -29.066,35.8 -25.7,35.8 -25,36.5 -21.4,36.5 -20.8,35.9 -20.8,34.8 -21.15,34.45 U8.13@-21.15,33.35
X\R\S\T: C52.1 R57.2 U8.3 U9.27 | length 42.7
  Top Layer w0.2: U9.27@-33.85,31.15 -31.772,31.15 -31.2,31.722 -31.2,34.797 -29.397,36.6 -26.031,36.6 -25.331,37.3 -20.534,37.3 -19.4,36.166 -19.4,33.966 -18.534,33.1 -16.134,33.1 -15.5,32.466 -15.5,30.334 -16.5,29.334 v1(-16.5,28.3) -17,27.8 -18.131,27.8 -18.481,27.45 U8.3@-19.75,27.45
  Bottom Layer w0.2: C52.1@-18.125,20.4 -18.125,23.475 -16.7,24.9 -16.7,27.6 -16.5,27.8 v1(-16.5,28.3)
XIN: C61.2 U9.5 Y2.2 | length 14.7
  Top Layer w0.2: Y2.2@-45.45,14.6 -41.7,14.6 -41.2,15.1 -41.2,16.775 C61.2@-42.425,18 -41.15,19.275 U9.5@-41.15,24.35
XIN32: C63.2 U9.3 Y3.1 | length 12.3
  Top Layer w0.2: Y3.1@-49.4,22.7 -49.4,21.6 -49,21.2 -47.825,21.2 C63.2@-47.2,21.825 -46.575,21.2 -43.4,21.2 -43.1,20.9 -42.6,20.9 -42.15,21.35 U9.3@-42.15,24.35
XOUT: C62.2 R63.1 Y2.1 | length 9.8
  Top Layer w0.2: R63.1@-40.3,20.225 -40.3,18.725 C62.2@-39.575,18 -40.7,16.875 -40.7,15.1 -40.2,14.6 Y2.1@-36.95,14.6
XOUT32: C64.2 R64.2 Y3.2 | length 5.2
  Top Layer w0.2: Y3.2@-49.4,19.3 -49.4,20.4 -49,20.8 -47.725,20.8 C64.2@-47.2,20.275 ; C64.2@-47.2,20.375 -47.125,20.3 R64.2@-45.675,20.3
µC_USB_N: R59.1 U9.44 | length 11.2
  Top Layer w0.2: R59.1@-48.325,40.6 -47.725,40 -42.434,40 -41.2,38.766 -41.2,36.5 -41.15,36.45 U9.44@-41.15,35.45
µC_USB_P: R60.1 R61.1 U9.45 | length 12.7
  Top Layer w0.2: R61.1@-48.3,36.975 -48.325,37 R60.1@-48.325,39.1 -47.825,39.6 -42.6,39.6 -41.6,38.6 -41.6,36.5 -41.65,36.45 U9.45@-41.65,35.45
pads on no net: J1.0 J1.3 P2.16 P2.18 P2.22 P5.4 P5.MH1 P5.MH2 S1.0 S2.0 S3.0 S4.0 S5.0 S6.0 SD1.0 SD1.11 SD1.12 U8.15 U8.48

## Polygon pours and split planes (outlines as drawn)
GND on Bottom Layer "Bottom Layer-No Net" (solid, pour order 22): -31,47 -20,47 -19.6,46.6 -18.9,45.9 -17.1,45.9 -16.7,45.9 -16,46.6 -15.9,46.7 -5.8,46.7 -5.2,46.1 -5.2,44.4 -5.2,40.9 -5.5,40.6 -15.2,40.6 -15.5,40.9 -15.5,42.1 -15.5,42.8 -15.9,43.2 -16.2,43.5 -20.6,43.5 -21.8,43.5 -22.7,42.6 -22.8,42.5 -23.8,42.5 -24,42.5 -25.1,43.6 -30.8,43.6 -31.4,43.6 -32.1,44.3 -32.1,46.2 -31.3,47
GND on Bottom Layer "Bottom Layer-No Net" (solid, pour order 12): -26.1,26.9 -27.7,26.9 -27.7,33 -20.1,33 -20.1,27.2 -21.7,27.2 -21.7,31.5 -23.6,31.5 -23.6,29.5 -24.6,29.5 -24.6,31.4 -26.1,31.4
AGND on Bottom Layer "Bottom Layer-No Net" (solid, pour order 10): -24.6,28.8 -24.6,26.6 -27,26.6 -27,25.3 -17,25.3 -17,26.6 -23.6,26.6 -23.6,28.8
GND on Bottom Layer "Bottom Layer-No Net" (solid, pour order 6): -68.4,32.3 -65.4,32.3 -65.1,32 -65.1,28 -63.7,26.6 -63.5,26.4 -59,26.4 -58.9,26.3 -58.9,25.3 -58.9,22.2 -59.6,21.5 -63.4,21.5 -64,20.9 -64.4,20.5 -64.4,14.1 -64.8,13.7 -72,13.7 -72.3,14 -72.3,15.1 -72.2,15.2 -70.7,15.2 -69.6,16.3 -69.6,25.5 -69.6,28.9 -69,29.5 -68.7,29.8 -68.7,31.7 -68.7,32
GND on Bottom Layer "Bottom Layer-No Net" (solid, pour order 18): -44.538,36.4 -34.238,36.4 -34.238,25.6 -44.538,25.6
GND on Bottom Layer "Bottom Layer-No Net" (solid, pour order 24): -78,8.7 -78,9.7 -77.9,9.8 -77.7,10 -77.6,10 -75.4,10 -74.6,10.8 -74.6,11.2 -74.6,12.175 -74.825,12.4 -74.925,12.5 -76.2,12.5 -83.8,12.5 -84.2,12.1 -84.2,8.8 -83.8,8.4 -82.7,8.4 -82.3,8.4 -82.1,8.6 -80.3,8.6 -80.2,8.7 -80.1,8.8 -80.1,9.7 -80.1,9.8 -79.9,10 -78.9,10 -78.6,9.7 -78.6,8.7
VCC_BAT on Bottom Layer "Bottom Layer-No Net" (solid, pour order 28): -83.7,7.9 -80.1,7.9 -80,7.8 -79.7,7.5 -79.4,7.5 -79.2,7.5 -78.6,6.9 -78.6,6.4 -78.6,4.6 -78.8,4.4 -79,4.2 -83.6,4.2 -84,4.2 -84.2,4.4 -84.3,4.5 -84.3,5.9 -84.3,7.5 -83.9,7.9
IOVDD on Top Layer "Bottom Layer-No Net" (solid, pour order 14): -21.5,32 -21.5,29.1 -21.5,26.6 -26.8,26.6 -26.8,32 -21.5,32
VCC_3V3 on Top Layer "Bottom Layer-No Net" (solid, pour order 20): -43.3,34 -35.5,34 -35.5,25.9 -43.3,25.9
GND on Top Layer "Bottom Layer-No Net" (solid, pour order 26): -83.3,8.4 -82.3,8.4 -81.8,8.9 -80.8,9.9 -79.8,9.9 -75.8,9.9 -75.7,10 -75.6,10.1 -75.6,11.2 -75.8,11.4 -83.6,11.4 -84.2,10.8 -84.2,8.8 -83.8,8.4

## Keep-outs
Keep-Out Layer:
  lines w0.254: -84.95,57.66 -84.95,58.168 ; -83.426,57.406 -84.95,57.914 ; -83.426,58.422 -84.95,57.914 ; -47.554,57.914 -84.95,57.914 ; -37.346,57.914 0.05,57.914 ; -1.474,57.406 0.05,57.914 ; -1.474,58.422 0.05,57.914 ; 0.05,57.66 0.05,58.168 ; 2.478,1.474 2.986,-0.05 ; 2.478,54.426 2.986,55.95 ; 2.732,-0.05 3.24,-0.05 ; 2.732,55.95 3.24,55.95 ; 2.986,22.846 2.986,-0.05 ; 2.986,33.054 2.986,55.95 ; 3.494,1.474 2.986,-0.05 ; 3.494,54.426 2.986,55.95
  text "85 (mm)" at -47.3,57 h1.52
  text "56 (mm)" at 3.9,23.1 h1.52 r90

## Other copper
Top Layer:
  rectangle net VCC_3V3: -18.1,46.3 -16.9,48.5
  region net GND: -24.5,32.2 -24.52,32.18 -24.52,31.78 -24.95,31.35 -25.35,31.35 -25.8,31.8 -25.8,32.2
  region net GND: -21.8,44.1 -21.8,43.5 -23,43.5 -23.1,43.4 -23.1,42.8 -23.3,42.6 -23.9,42.6 -24,42.7 -24,44.9 -23.9,45 -23.3,45 -23.1,44.8 -23.1,44.2 -23,44.1
  region net GND: -7.6,42.2 -7.6,41.6 -8.8,41.6 -8.9,41.5 -8.9,40.9 -9.1,40.7 -9.7,40.7 -9.8,40.8 -9.8,43 -9.7,43.1 -9.1,43.1 -8.9,42.9 -8.9,42.3 -8.8,42.2
  region net VCC_3V3: -63.2,38.4 -69.8,38.4 -69.8,40.2 -63.2,40.2
  region net GND: -70.2,15.1 -70.2,14.1 -72.2,14.1 -72.2,15.1
  region net GND: -75.7,11 -75.7,10 -78,10 -78,11
  region net VCC_BAT: -69.35,12.5 -69.35,11.7 -66.45,11.7 -66.45,12.5
  region net 5V0: -71.8,12.5 -71.8,11.1 -73.8,11.1 -73.8,12.5
  region net VDD: -71.6,12.7 -64.8,12.7 -64.7,12.8 -64.7,13.6 -64.8,13.7 -71.6,13.7 -71.7,13.6 -71.7,12.8
  region net VDD: -64.2,24.2 -64.1,24.1 -64.1,23.3 -64.2,23.2 -65.2,23.2 -65.6,22.8 -69.7,22.8 -69.7,24.5 -69.5,24.7 -65.7,24.7 -65.2,24.2
  region net GND: -69.7,25.8 -66.3,25.8 -65.2,24.7 -65,24.5 -63.3,24.5 -63.3,26.2 -65.1,28 -69.7,28
  region net GND: -65.1,27.5 -65.1,33.6 -65.4,33.9 -69.4,33.9 -69.7,33.6 -69.7,27.5
  region net NetL3_1: -62.9,25.3 -63,25.4 -63,26.9 -64.1,28 -64.1,30.7 -63.6,31.2 -58.8,31.2 -58.5,30.9 -58.5,27.4 -58.9,27 -61.8,27 -62,26.8 -62,25.4 -62.1,25.3
  region net NetC16_1: -69.3,35 -64.4,35 -64.1,34.7 -64.1,33.2 -63.5,32.6 -58.9,32.6 -58.6,32.9 -58.6,36.8 -58.8,37 -69.3,37 -69.7,36.6 -69.7,35.4
  region net GND: -60.9,24.9 -60.3,24.9 -59.9,25.3 -59.9,26.1 -59.7,26.3 -59.1,26.3 -58.9,26.1 -58.9,24.4 -59.5,23.8 -60.9,23.8
  region net VDD: -61.7,22 -61.6,22.1 -61.4,22.1 -61.3,22 -61.3,21 -61,20.7 -61,18.7 -61.2,18.5 -67.4,18.5 -67.4,19.9 -62,19.9 -61.7,20.2
  region net VDD: -69.7,22.8 -69.7,13.7 -67.4,13.7 -67.4,22.8
  region net GND: -60.3,22.1 -60.3,18.9 -60.1,18.7 -57.9,18.7 -57.6,19 -57.6,20.8 -57.8,21 -58.8,21 -58.9,21.1 -58.9,22.7 -59.1,22.9 -60.8,22.9 -60.9,22.8 -60.9,22.7
  region net GND: -64.2,17.4 -64.2,14.8 -66.1,14.8 -66.1,17.4
  region net AGND: -17.75,26.6 -17.05,26.6 -17.05,24.7 -17.75,24.7
  text "IO" at -84.3,52.3 h1.52
  text "CK" at -84.3,50.133 h1.52
  text "Rx" at -28,49.5 h1.52 r90
  text "GND" at -25.7,49.4 h1.52 r90
  text "Tx" at -30.2,49.1 h1.52 r90
  text "GND" at -24.1,48.2 h1
  text "VCC" at -84.3,47.967 h1.52
  text "GND" at -84.3,45.8 h1.52
  text "GND" at -77.2,34.3 h1
  text "On" at -77.9,29.033 h1.52
  text "Off" at -77.9,24.7 h1.52
  text "Arash7" at -17.9,14.5 h5
  text "MP3P V1.00" at -19.2,11.8 h3
  text "+" at -80.4,5.8 h2
  text "K3" at -11.5,5.8 h1
  text "K4" at -2.1,4.9 h1
  text "RST" at -63.9,4.7 h1
  text "SD Card" at -53.8,1 h2
  text "K1" at -26.3,0.5 h1 r90
  text "K2" at -14.3,0.5 h1 r90
Bottom Layer:
  rectangle net VCC_3V3: -18.1,46.3 -16.9,48.5
  region net IOVDD: -21.3,34.6 -15.6,34.6 -15.6,33.8 -21.3,33.8
  region net IOVDD: -21.1,35.3 -21.1,34.3 -24.6,34.3 -24.6,35.3
  region net VCC_3V3: -69.8,40.2 -67,40.2 -67,38.4 -69.8,38.4
  region net VCC_BAT: -69.4,12.5 -69.4,11.7 -66.75,11.7 -66.75,12.5
  region net 5V0: -74.3,12 -74.3,11.1 -72,11.1 -72,12
  region net GND: -58.6,20.8 -59.6,19.8 -60.4,19.8 -60.4,18.8 -57.8,18.8 -57.6,19 -57.6,20.8
  region net IOVDD: -23.2,30.6 -22,30.6 -22,28.3 -23.2,28.3
  region net VCC_3V3: -37.9,37.5 -37.9,34.7 -38.5,34.1 -38.5,32.9 -38.4,32.8 -36.9,32.8 -36.8,32.9 -36.8,34.4 -37.1,34.7 -37.1,37.5
  region net VCC_3V3: -65.2,39.5 -62.4,39.5 -62.4,38.3 -65.2,38.3
  text "12222017" at -9.4,21.8 h3 r90
  text "Arash7" at -23.1,14.3 h5
  text "MP3P V1.00" at -21.1,11.9 h3

## Silkscreen, mask and mechanical layers (free items; w line width, h text height)
Top Solder:
  text "Arash7" at -17.9,14.5 h5
  text "MP3P V1.00" at -19.2,11.8 h3
Bottom Solder:
  text "Arash7" at -23.1,14.3 h5
  text "MP3P V1.00" at -21.1,11.9 h3
Mechanical 1:
  the board outline again, w0.254

## Text inside footprints (layer, text, board x,y; h text height)
P2: Top Overlay "26" at -46.796,52.632 h1.27; Top Overlay "25" at -46.796,50.092 h1.27; Top Overlay "1" at -81.34,50.092 h1.27; Top Overlay "2" at -81.34,52.632 h1.27
P5: Mechanical 1 "PCB Edge" at -84.92,21.323 h0.25 r270